# Allegro board A733_PRO3_AXP318_LPDDR5_FBGA315BALL_32X1_V2_0.brd (continued)
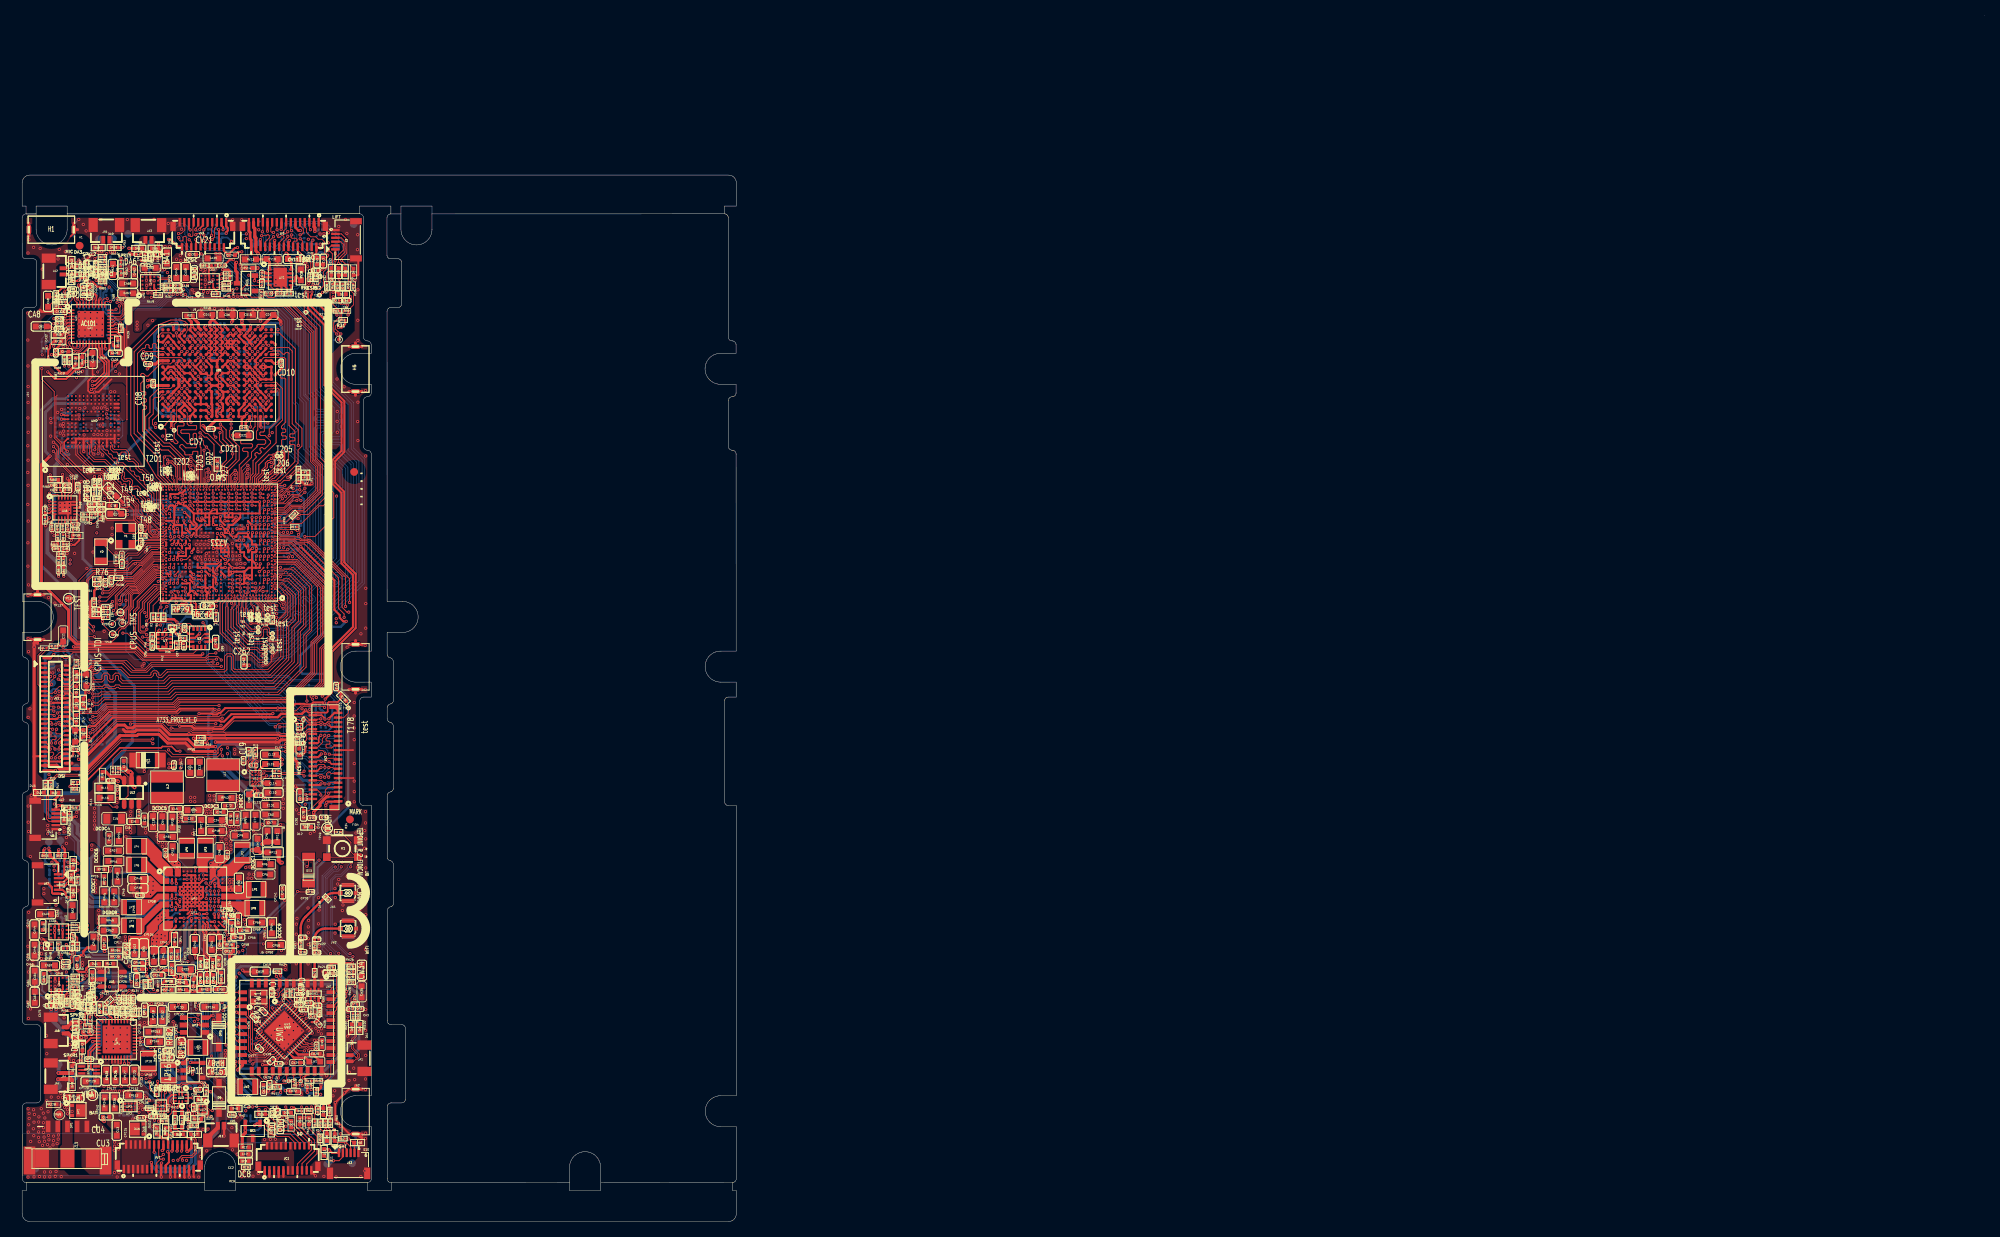
[diagram p0: board, top side]
## Routing (per net, layer and track width the routed paths; a pad name or vN(x,y) marks a point on that pad's centre or on a via; arc(x,y) is an arc through that point) (continued)
FEL: length 53.4
  TOP w0.114: D12.2 37.28,50.88 v1(37.83,50.88) 39.2,50.88 TP49.1 39.81,50.26 R34.2 ; U1.1W1 31.62,90.71 31.75,90.83 v1(31.75,90.85)
  L4 w0.102: v1(31.75,90.85) 32.03,90.85 32.79,90.09 33.87,90.09 34.34,89.62 36.15,89.62 38.2,87.58 38.2,75.35 37.21,74.37 37.21,70.46 33.83,67.08 33.83,66.15 33.82,66.14 33.82,65.97 32.26,64.41 32.26,62.42 33.08,61.6 33.08,58.61 34.3,57.39 34.3,56.07 35.63,54.74 35.63,53.58 35.72,53.49 35.72,53.16 37.83,51.05 v1(37.83,50.88)
FLASH-EN: length 6.8
  TOP w0.102: v1(32.88,120.25) 32.46,120.25 UV1.5
  TOP w0.114: v1(32.88,120.25) 32.94,120.18 RV19.2 32.45,119.22 31.76,119.22 31.51,119.48 CV15.1 31.31,119.93 RV16.1 30.71,120.06 QV1.1
  BOTTOM w0.102: v1(32.88,120.25) 32.46,120.25 32.25,120.46 RV20.2
FLASH-MODE: length 37.1
  TOP w0.102: v1(28.32,120.29) 28.8,120.78 RV15.2
  TOP w0.114: U1.AR2 32.21,94.04 32.79,94.04 v1(32.97,94.23)
  L3 w0.102: v1(32.97,94.23) 32.97,94.24 33.02,94.29 33.02,94.38 33.35,94.7 33.35,94.94 33.82,95.41 34.22,95.41 35.41,96.6 35.41,96.63 35.44,96.66 35.44,96.75 36.81,98.12 36.81,113.92 32.57,118.16 30.86,118.16 v1(30.39,117.69)
  BOTTOM w0.102: v1(28.32,120.29) 28.43,120.29 30.39,118.34 v1(30.39,117.69)
FLED+: length 16.5
  TOP w0.305: v1(29.56,124.88) 29.56,125.18 29.53,125.21 JV1.30 ; UV1.10 34.69,123.77 CV11.1 34.27,124.79 34.12,124.93 v1(34.03,124.93)
  TOP w0.356: JV1.30 29.53,126.64 29.4,126.77 29.4,127.62 29.23,127.79 JV1.31
  TOP w0.508: RV14.2 v1(30.35,123.02)
  L4 w0.305: 29.83,124.61 30.03,124.41 33.58,124.41 34.03,124.86 v1(34.03,124.93) ; 29.83,124.61 29.83,124.26 30.35,123.73 v1(30.35,123.02) ; 29.83,124.61 v1(29.56,124.88)
  BOTTOM w0.254: CV13.1 29.92,126.96 T152.1
  BOTTOM w0.305: CV13.1 29.66,125.79 29.66,124.98 v1(29.56,124.88)
FLED-: length 19.3
  TOP w0.305: RV18.2 35.86,121.44 35.39,121.91 v1(35.34,121.91) 35.25,121.82 35.25,121.6 35.2,121.55 35.2,121.45 35.07,121.33 UV1.7
  TOP w0.381: v1(30.41,124.88) 30.41,124.96 30.13,125.24 JV1.28 ; QV1.3 27.71,122.47 27.5,122.68 27.5,123.67 27.58,123.75 v1(27.63,123.75)
  TOP w0.406: JV1.28 30.13,126.9 29.99,127.04 29.99,128.12 29.83,128.28 JV1.29
  L3 w0.381: v1(27.63,123.75) 28.25,124.37 29.98,124.37 30.32,124.71 30.32,124.83 30.37,124.88 v1(30.41,124.88) 30.5,124.97 32.5,124.97 35.34,122.12 v1(35.34,121.91)
  BOTTOM w0.102: v1(30.41,124.88) 30.35,124.82 T151.1
GPADC: length 2.1
  TOP w0.076: UP1.L14 25.34,40.17 25.59,39.92 26.76,39.92 T59.1
GPIO1: length 1.2
  TOP w0.102: v1(24.25,40.72) 24.25,40.71 24.25,40.25 UP1.L12
  BOTTOM w0.114: v1(24.25,40.72) 24.11,40.72 RP300.2
GPIO2: length 1
  TOP w0.102: v1(24.23,42.67) 24.32,42.58 UP1.G12
  BOTTOM w0.102: v1(24.23,42.67) 24.23,42.94 T57.1
GPIO3: length 0.8
  TOP w0.102: v1(23.7,43.67) 23.75,43.67 24.1,43.32 24.17,43.32 UP1.E12
GPIOA8-RX: length 14.9
  TOP w0.102: UW3.14 31.19,23.67 30.89,23.38 30.56,23.38 v1(30.08,22.9) ; UW2.30 35.91,18.14 T113.1 36.11,17.93 v1(36.11,17.56)
  L3 w0.102: v1(30.08,22.9) 29.71,22.53 29.71,21.86 30.31,21.26 30.31,18.57 31.3,17.58 34.57,17.58 34.76,17.39 35.94,17.39 v1(36.11,17.56)
  BOTTOM w0.178: T129.1 30.06,22.92 v1(30.08,22.9)
GPIOA9-TX: length 11.6
  TOP w0.102: 35.01,18.07 34.72,18.07 34.67,18.12 T112.1 34.03,17.78 32.61,17.78 32.48,17.91 v1(32.48,18) ; 35.01,18.07 RW33.1 ; 35.01,18.07 UW2.29 ; UW3.15 30.93,22.94 v1(30.77,22.94)
  L3 w0.102: v1(32.48,18) 32.4,17.91 31.38,17.91 30.63,18.65 30.63,21.99 30.77,22.12 v1(30.77,22.94)
GS-INT: length 78.3
  TOP w0.102: v1(18.88,60.86) 19.46,60.28 25.08,60.28 25.24,60.44 25.24,60.45 25.25,60.46 25.25,60.48 25.25,60.49 25.25,60.83 25.25,60.84 25.25,60.86 25.24,60.86 25.24,61 25.72,61.48 33.82,61.48 v1(33.98,61.65) ; U7.5 17.37,75.19 17.21,75.35 17.21,76.65 17.52,76.96 v1(17.83,76.96) ; U1.1AC2 31.12,92.84 v1(31.22,92.94)
  L4 w0.102: v1(33.99,61.65) 33.99,64.43 35.02,65.47 35.02,66.56 38.43,69.97 38.43,73.8 39.47,74.84 39.47,88.46 36.38,91.55 33.97,91.55 32.93,92.59 31.61,92.59 31.27,92.94 v1(31.22,92.94)
  L4 w0.114: v1(20.42,76.06) 20.42,75.6 20.07,75.26 20.07,65.04 19.7,64.67 19.7,63.58 18.98,62.85 18.98,60.96 v1(18.88,60.86)
  BOTTOM w0.102: R44.1 18.01,77.14 v1(17.83,76.96)
  BOTTOM w0.114: R44.1 18.23,76.82 18.1,76.69 18.1,76.12 18.22,76 20.35,76 20.4,76.06 v1(20.42,76.06)
HBIAS: length 2.3
  TOP w0.203: UA1.2 5.94,117.18 5.83,117.29 5.44,117.29 CA27.1 5.32,117.57 4.92,117.97 v1(4.92,117.99)
  BOTTOM w0.114: RA30.2 5.08,117.84 v1(4.92,117.99)
HP-DET: length 94.6
  TOP w0.102: v1(7.18,44.67) 7.13,44.62 RA76.1
  L4 w0.102: v1(4.76,50.1) 4.76,52.31 6.33,53.89 6.33,55.04 5.42,55.96 5.42,57.1 9.49,61.17 9.49,71.77 8.21,73.06 7.22,73.06 6.27,74.01 6.27,75.28 6.46,75.48 6.46,83.95 5.76,84.66 5.64,84.66 1.89,88.41 1.89,108.87 3.11,110.09 3.11,111.66 3.53,112.08 3.53,120.08 5.23,121.78 7.55,121.78 v1(8.14,121.2)
  BOTTOM w0.102: v1(8.14,121.2) 8.14,121.7 8.61,122.17 9.42,122.17 9.99,121.6 9.99,121.24 9.66,120.92 RA14.2 9.66,120.9 RA12.2 ; v1(7.18,44.67) 7.18,44.72 6.77,45.14 6.77,48.98 5.84,49.91 4.95,49.91 v1(4.76,50.1)
HP-DET-1: length 3.6
  TOP w0.254: RA76.2 6.54,43.72 DA14.2 6.11,43.9 v1(5.85,43.64) 5.52,43.3 JA7.4
  BOTTOM w0.305: TP97.1 5.34,43.64 v1(5.85,43.64)
HPOUTFB-1: length 79.8
  TOP w0.254: JA7.2 5.27,44.3 5.43,44.46 5.43,46.65 5.51,46.73 DA17.2
  TOP w0.305: DA17.2 5.51,48.01 v1(5.2,48.33)
  L4 w0.203: v1(3.17,112.87) 2.79,112.87 1.4,111.48 1.4,87.79 5.85,83.34 5.85,76.15 2.69,72.99 2.69,50.58 3.13,50.14 3.13,50.14 v1(3.26,50.01)
  BOTTOM w0.254: v1(3.26,50.01) 3.84,50.01 4.69,49.17 TP98.1 4.93,48.59 v1(5.2,48.33) ; RA32.2 3.65,114.56 3.65,114.18 3.64,114.17 CA33.1 CA30.2 3.03,113 v1(3.17,112.87)
  BOTTOM w0.305: RA36.1 4.84,47.24 RA73.2 4.84,47.4 5.2,47.75 v1(5.2,48.33)
HPOUTFB-2: length 126.2
  TOP w0.165: UU2.A2 23.76,14.47 24.04,14.19 24.04,13.83 v1(23.78,13.58)
  TOP w0.203: v1(9.05,107.87) 9.08,107.9 9.42,107.9 10.89,109.37 10.89,110.88 10.03,111.75 10.03,112.67 9.86,112.84 UA1.18
  L3 w0.254: v1(23.78,13.58) 23.19,13.58 22.89,13.28 21.38,13.28 20.63,14.03 20.63,14.86 19.9,15.59 17.93,15.59 16.46,17.06 15.32,17.06 13.21,19.18 10.46,19.18 7.92,21.72 6.12,21.72 4.26,23.57 4.26,25.26 1.96,27.56 1.96,31.94 3.49,33.47 3.49,36.47 3.3,36.67 3.3,41.24 3.84,41.78 3.84,43.94 3.49,44.3 3.49,45.33 4.01,45.85 v1(4.11,45.85)
  L4 w0.254: v1(4.11,45.85) 4.12,45.86 4.28,45.86 4.48,46.06 4.49,46.06 6.5,48.07 6.5,49.85 7.87,51.22 7.87,58.05 10.37,60.55 10.37,72.35 7.55,75.17 7.55,93.78 6.64,94.7 6.64,102.62 6.32,102.94 6.32,105.07 8.4,107.15 8.4,107.44 8.83,107.87 v1(9.05,107.87)
  BOTTOM w0.305: v1(4.11,45.85) 4.34,46.08 RA73.1
HPOUTL-1: length 6
  TOP w0.305: JA7.1 4.64,46.21 4.03,46.81 4,46.81 DA15.2 3.6,47.77 3.45,47.92 v1(3.45,48.16)
  BOTTOM w0.254: v1(3.45,48.16) 3.45,48.16 TP101.1
  BOTTOM w0.305: RA74.2 3.45,47.54 RA33.1 3.46,47.91 3.45,47.92 v1(3.45,48.16)
HPOUTL-2: length 122
  TOP w0.203: v1(9.05,108.41) 9.44,108.41 10.58,109.55 10.58,110.77 9.72,111.62 9.72,112.54 9.46,112.8 UA1.17
  TOP w0.254: UU3.3 19.29,16.35 18.83,15.89 18.83,15.15 v1(19.05,14.93)
  L3 w0.254: v1(3.84,46.35) 3.08,45.59 3.08,44.07 3.49,43.66 3.49,41.93 2.94,41.39 2.94,36.51 3.13,36.32 3.13,33.63 1.61,32.11 1.61,27.34 3.86,25.09 3.86,23.47 5.97,21.36 7.72,21.36 10.29,18.78 13.07,18.78 15.14,16.71 16.27,16.71 17.82,15.16 18.82,15.16 v1(19.05,14.93)
  L4 w0.254: v1(9.05,108.41) 8.86,108.41 8.05,107.59 8.05,107.3 5.97,105.22 5.97,102.73 6.28,102.41 6.28,94.4 7.2,93.48 7.2,75.01 10.01,72.19 10.01,60.71 7.51,58.2 7.51,51.4 6.14,50.04 6.14,48.22 4.34,46.42 3.92,46.42 3.86,46.35 v1(3.84,46.35)
  BOTTOM w0.305: v1(3.84,46.35) 3.5,46.01 CA31.1 2.95,46.44 RA74.1
HPOUTR-1: length 6.2
  TOP w0.254: v1(5.91,45.82) 6.54,45.82 DA13.2 6.58,45.51 6.33,45.27 6.03,45.27 5.81,45.05 5.81,44.26 5.35,43.8 JA7.3
  BOTTOM w0.254: TP99.1 5.91,44.88 v1(5.91,45.82) 5.9,45.83 RA75.2
HPOUTR-2: length 121.2
  TOP w0.203: UA1.19 10.26,112.89 10.33,112.82 10.33,111.88 11.2,111.01 11.2,109.22 9.44,107.47 9.05,107.47 v1(8.92,107.34)
  TOP w0.254: v1(21.96,15.95) 21.96,15.95 UU3.9
  L3 w0.254: v1(4.13,45.32) 3.9,45.09 3.9,44.45 4.2,44.14 4.2,41.6 3.65,41.05 3.65,36.83 3.76,36.73 3.76,36.71 3.85,36.62 3.85,33.32 2.32,31.79 2.32,27.72 4.66,25.38 4.66,23.68 6.26,22.08 8.11,22.08 10.65,19.54 13.36,19.54 15.48,17.42 16.64,17.42 18.11,15.95 21.96,15.95 v1(21.96,15.95)
  L4 w0.254: v1(4.13,45.32) 4.23,45.42 4.37,45.42 6.87,47.92 6.87,49.71 8.24,51.08 8.24,57.91 10.73,60.4 10.73,72.52 7.91,75.34 7.91,94.03 6.99,94.95 6.99,102.78 6.68,103.09 6.68,104.89 8.78,106.99 8.78,107.2 v1(8.92,107.34)
  BOTTOM w0.254: RA75.1 4.74,45.23 CA29.1 4.23,45.22 v1(4.13,45.32)
HS-MIC-1: length 4.3
  TOP w0.254: DA16.2 6.44,41.82 v1(5.86,41.82) 5.61,42.07 5.61,42.39 5.2,42.8 JA7.5
  BOTTOM w0.102: RA72.2 5.12,41.82 v1(5.86,41.82) 5.86,41.78 6.18,41.46 TP100.1
HS-MIC-2: length 127.6
  TOP w0.102: UU2.C3 22.6,14.07 v1(22.46,13.93)
  L4 w0.102: 6.91,22.3 6.91,21.67 10.55,18.03 14.14,18.03 14.67,17.5 17.56,17.5 18.06,18 21.53,18 23.09,16.44 23.09,14.56 v1(22.46,13.93) ; v1(2.58,111.82) 2.36,111.82 1.66,111.12 1.66,88 5.24,84.42 5.71,84.42 6.26,83.87 6.26,76.08 2.94,72.76 2.94,52.06 3.81,51.19 3.81,48.01 2.65,46.85 2.65,43.73 3.72,42.66 3.72,41.82 4.36,41.18 v1(4.36,40.8) 3.35,39.79 3.35,33.99 3.22,33.86 3.22,32.02
  L4 w0.114: 3.22,32.02 3.83,31.41 3.83,29.28 4.81,28.29 4.81,26.29 6.03,25.08 6.03,23.7 6.91,22.82 6.91,22.3
  BOTTOM w0.102: RA72.1 4.48,40.93 4.36,40.82 v1(4.36,40.8)
  BOTTOM w0.114: v1(2.58,111.82) 2.54,111.87 CA34.1 2.54,113.52 CA30.1 2.53,113.89 2.88,114.24 2.88,115.84 4.12,117.08 RA31.2 4.52,117.14 RA30.1
I2S0-BCLK: length 89.9
  TOP w0.076: 32.98,90.49 32.9,90.56 32.41,90.56 U1.AG2
  TOP w0.102: v1(3.48,92.92) 3.54,92.86 UA6.1 ; UA1.29 12.48,117.18 12.61,117.31 12.61,118.06 v1(12.53,118.13) ; v1(28.23,119.39) 28.93,118.69 34.27,118.69 37.8,115.16 37.8,98.31 38.49,97.62 38.49,94 36.24,91.76 34.93,91.76 33.66,90.49 32.98,90.49
  L4 w0.102: v1(28.23,119.39) 27.17,118.33 22.32,118.33 21.61,117.63 13.04,117.63 v1(12.53,118.13) 11.98,118.13 11.4,117.55 11.4,114.02 11.14,113.76 11.14,111.91 8.61,109.37 2.94,103.71 2.94,93.46 v1(3.48,92.92)
I2S0-DIN0: length 92
  TOP w0.076: U1.AJ2 32.89,91.6 32.97,91.68
  TOP w0.102: 32.97,91.68 33.93,91.68 34.68,92.43 35.97,92.43 37.87,94.32 37.87,97.37 37.19,98.05 37.19,114.59 33.69,118.08 27.95,118.08 v1(26.66,119.37) ; UA6.3 3.64,92.06 v1(3.48,91.91) ; UA1.27 11.77,116.38 11.95,116.56 12.71,116.56 13.19,117.04 13.19,118.27 12.68,118.78 12.67,118.78 12.47,118.99 12.34,118.99 v1(12.24,119.09)
  L4 w0.102: v1(26.66,119.37) 26.1,118.8 22.09,118.8 21.59,118.31 13.16,118.31 12.68,118.78 12.54,118.78 v1(12.24,119.09) 11.88,118.73 11.88,118.63 10.99,117.74 10.99,114.25 9.84,113.09 9.84,111.19 2.5,103.85 2.5,92.89 v1(3.48,91.91)
I2S0-DOUT0: length 59.9
  TOP w0.076: 32.97,91.44 32.44,91.44 32.2,91.2 U1.AH2
  TOP w0.102: UA1.26 11.66,115.98 12.01,116.33 12.91,116.33 13.47,116.89 13.47,118.31 13.02,118.76 13.02,119 v1(13.01,119.01) ; v1(27.21,119.37) 28.29,118.29 33.85,118.29 37.4,114.74 37.4,98.13 38.08,97.45 38.08,94.2 36.12,92.25 34.76,92.25 33.95,91.44 32.97,91.44
  L4 w0.102: v1(27.21,119.37) 27.21,119.42 26.91,119.72 26.5,119.72 25.81,119.03 22.03,119.03 21.51,118.51 13.51,118.51 v1(13.01,119.01)
I2S0-LRCK: length 90.8
  TOP w0.102: UA6.2 3.53,92.46 v1(3.48,92.41) ; UA1.28 12.64,116.78 12.99,117.13 12.99,118.19 12.59,118.58 v1(12.24,118.58) ; U1.AH1 33.97,91.2 34.83,92.06 36.25,92.06 38.29,94.09 38.29,97.53 37.6,98.22 37.6,114.85 33.96,118.49 28.62,118.49 v1(27.72,119.39)
  L4 w0.102: v1(27.72,119.39) 27.72,119.37 26.92,118.57 22.22,118.57 21.75,118.11 13.07,118.11 12.59,118.58 v1(12.24,118.58) 12.16,118.58 11.92,118.34 11.89,118.34 11.2,117.64 11.2,114.17 10.04,113.01 10.04,111.1 2.71,103.77 2.71,93.19 v1(3.48,92.41)
I2S0-MCLK: length 84.8
  TOP w0.102: v1(3.51,93.96) 3.51,93.94 3.64,93.82 4.54,93.82 4.71,93.65 UA6.20 ; UA1.30 11.94,117.58 12.06,117.7 v1(12.11,117.7) ; RA99.1 35.37,91.55 36.49,91.55 38.69,93.75 38.69,97.71 38.01,98.4 38.01,115.25 34.36,118.89 29.31,118.89 v1(28.79,119.42)
  L4 w0.102: v1(28.79,119.42) 27.5,118.13 22.4,118.13 21.69,117.42 12.39,117.42 v1(12.11,117.7) 11.7,117.29 11.7,113.94 11.35,113.6 11.35,111.83 3.14,103.62 3.14,99.85 3.14,99.84 3.14,94.33 v1(3.51,93.96)
LCD-FMASK: length 46.3
  TOP w0.102: v1(25.38,66.57) 20.29,66.57 19.78,66.06 11.12,66.06 9.39,64.34 v1(9.11,64.34) ; v1(4.67,66.36) 4.69,66.33 JL1.20
  TOP w0.114: U1.1C1 31.61,82.37 31.61,82.71 v1(31.75,82.85)
  L4 w0.102: v1(31.75,82.85) 31.75,80.83 31.29,80.37 29.96,80.37 28.48,78.89 28.48,72.78 25.38,69.68 v1(25.38,66.57)
  BOTTOM w0.102: RL42.1 9.65,63.27 9.56,63.36 9.56,63.89 v1(9.11,64.34) 8.6,64.34 RL43.2 7.91,65.03 7.91,65.05 7.19,65.76 6.42,65.76 6.15,66.03 5.25,66.03 5.07,66.2 4.82,66.2 v1(4.67,66.36)
LCD-PWM: length 47.2
  TOP w0.102: v1(25.69,60.92) 25.67,60.91 25.67,60.44 25.18,59.95 19.27,59.95 18.49,60.73 12.81,60.73 11.7,59.63 RL8.1 ; U1.1L1 31.62,86.69 v1(31.75,86.81)
  L4 w0.114: v1(25.69,60.92) 25.65,60.96 25.65,62.58 26.47,63.4 26.47,68.42 29.82,71.76 29.82,76.49 30.08,76.75 30.08,78.99 30.45,79.36 31.67,79.36 32.9,80.59 32.9,83.68 32.51,84.07 32.51,86.06 v1(31.75,86.81)
LCD-RST: length 56.6
  TOP w0.102: v1(25.64,64.02) 25.48,63.87 24.82,63.87 24.77,63.92 22.3,63.92 21.95,64.26 20.16,64.26 19.93,64.03 18.82,64.03 18.31,64.54 12.21,64.54 8.49,60.82 7.83,60.82 v1(7.81,60.8) ; v1(4.1,66.36) 4.09,66.36 3.95,66.5 3.63,66.5 3.49,66.63 JL1.19 ; v1(31.24,86.79) 31.12,86.68 U1.1L2
  L4 w0.102: v1(25.64,64.02) 25.64,64.26 26.16,64.78 26.16,69.2 29.27,72.31 29.27,76.39 29.84,76.96 29.84,79.07 30.34,79.57 31.48,79.57 32.57,80.66 32.57,83.49 32.18,83.88 32.18,85.91 31.61,86.47 31.55,86.47 v1(31.24,86.79)
  BOTTOM w0.102: v1(7.81,60.8) 7.79,60.8 6.87,61.72 6.87,62.45 5.59,63.72 CL16.1 5.4,64.12 4.99,64.53 4.36,64.53 3.73,65.17 3.73,66.04 4.04,66.35 4.09,66.35 v1(4.1,66.36)
LDO2V5-INPUT:
  vias: v1(7.76,33.44) v1(7.77,33.03) v1(19.46,25.78) v1(19.63,25.36) v1(21.97,19.01) v1(22.06,19.49)
LDOIN/RSTN: length 4
  TOP w0.102: UA1.36 8.66,119.01 8.66,119.02 v1(8.66,119.05) 8.5,119.2 8.5,119.21 8.04,119.68 RA18.2
  BOTTOM w0.102: CA17.1 8.59,118.98 v1(8.66,119.05) 8.95,119.35 RA17.1 8.92,119.69 RA20.1
LINEINL/MICIN4N: length 3
  TOP w0.102: CA32.1 5.07,115.85 5.52,116.29 v1(5.61,116.29) 5.63,116.32 5.84,116.32 5.9,116.38 UA1.4
  BOTTOM w0.102: v1(5.61,116.29) 5.46,116.14 5.41,116.14 5.11,115.84 RA85.2
LINEINR/MICIN4P: length 3.7
  TOP w0.102: CA28.1 5.23,116.49 5.54,116.8 v1(5.58,116.8) 5.74,116.8 5.75,116.78 UA1.3
  BOTTOM w0.102: v1(5.58,116.8) 4.44,115.66 RA86.2
LRADC0: length 161.3
  TOP w0.076: U1.1D23 20.78,82.7 v1(21.07,82.7)
  TOP w0.102: R50.1 38.44,12.93 R51.1 39.11,13.49 D7.2 38.46,13.76 C110.1 38.03,14.1 37.69,14.44 37.69,14.87 37.88,15.06 R49.2 38.4,16.5 v1(38.49,16.41) ; v1(41.96,118.24) 41.84,118.35 41.02,118.35 40.86,118.51 R27.2 ; v1(38.98,66.33) 38.88,66.44 36.3,66.44 36.23,66.51 35.93,66.51 35.31,65.89 32.8,65.89 32.8,65.89 26.58,65.89 26.04,65.35 25.57,65.35 25.37,65.15 22.66,65.15 22.58,65.23 19.74,65.23 19.66,65.15 v1(19.35,65.15)
  TOP w0.114: R27.2 C86.1 41.59,119.49 D1.2 41.73,120.01 R26.1 R25.1
  L4 w0.102: v1(41.96,118.24) 41.66,117.94 41.66,114.25 38.9,111.49 38.9,98.64 41.09,96.44 41.09,88.61 41.16,88.54 41.16,75.29 39.27,73.4 39.27,68.7 39.95,68.02 39.95,67.06 39.23,66.33 v1(38.98,66.33) 39.21,66.1 39.48,66.1 40.04,65.54 40.04,65.54 40.15,65.43 40.15,56.2 39.6,55.64 39.25,55.64 39.09,55.47 39.09,54.75 38.65,54.32 38.65,53.61 39.82,52.44 39.82,35.75 40.4,35.17 40.4,33.93 41.78,32.55 41.78,30.96 42.46,30.28 42.46,28.4 42.79,28.06 42.79,23.05 40.37,20.62 40.37,18.29 v1(38.49,16.41) ; v1(21.07,82.7) 20.87,82.7 20.07,81.91 19.96,81.91 19.7,81.64 19.7,80.86 19.37,80.53 19.37,78.72 20.2,77.9 20.2,77.75 20.35,77.59 20.35,77.09 19.85,76.58 19.85,66.14 19.35,65.65 v1(19.35,65.15)
MBIAS: length 14.6
  TOP w0.102: v1(7.64,119.06) 7.86,118.84 UA1.38
  TOP w0.254: v1(5.43,120.47) 5.18,120.47 4.5,119.79 RA5.2 ; RA19.2 12.73,124.25 v1(12.76,124.28)
  L4 w0.254: 7.64,119.25 7.64,119.28 8.11,119.75 8.59,119.75 10.12,121.27 10.12,121.64 v1(12.76,124.28) ; 7.64,119.25 7.28,119.61 6.7,119.61 5.84,120.47 v1(5.43,120.47) ; 7.64,119.25 v1(7.64,119.06)
  BOTTOM w0.203: CA15.2 7.94,118.36 CA5.2 7.95,118.68 7.74,118.89 7.74,118.96 v1(7.64,119.06)
MBIAS1: length 1.7
  TOP w0.254: UA6.5 4.12,90.67 3.74,90.29 3.74,89.93 CA91.1
MBIAS2: length 3.1
  TOP w0.254: UA6.13 7.26,92.06 7.41,92.21 7.41,92.24 7.44,92.26 7.44,93.06 7.41,93.09 7.41,94.33 CA92.1
MCSI-MCLK: length 80.3
  TOP w0.102: CV21.1 23.02,124.76 v1(23.1,124.84) ; JV1.7 36.43,128.35 36.67,128.11 36.67,127.6 37.22,127.05 37.86,127.05 38.17,126.73 38.66,126.73 38.96,126.43 38.96,125.02 39.12,124.86 39.21,124.86 v1(39.39,124.68) 39.39,124.42 39.31,124.34 CV2.1 39.32,123.84 39.32,123.04 39.04,122.76 39.04,122.75 38.86,122.57 38.86,121.04 38.85,121.03 38.85,120.71 38.43,120.29 36.74,120.29 36.37,119.92 36.37,117.52 T137.1 38.45,115.44 38.45,98.54 39.1,97.89 39.1,95.05 40.18,93.97 40.18,90.82 37.74,88.38 v1(36.44,88.38) ; JV3.7 24.51,128.19 24.43,128.12 v1(24.43,127.24)
  L3 w0.102: v1(24.43,127.24) 23.91,126.72 23.91,125.65 v1(23.1,124.84)
  L4 w0.102: v1(24.43,127.24) 25.98,127.24 26.12,127.09 26.89,127.09 28.19,125.79 28.19,125.79 28.53,125.46 35.42,125.46 37.26,123.62 38.34,123.62 v1(39.39,124.68)
  BOTTOM w0.102: v1(36.44,88.38) 36.41,88.34 36.41,86.79 34.74,85.13 32.81,85.13 32.29,84.61 32.29,83.84 31.76,83.31 RV1.2
MCSI-MCLK-2: length 40.6
  TOP w0.102: v1(34.82,56.58) 34.82,55.85 35.31,55.36 35.31,54.2 36.29,53.22 CV20.1 36.96,52.98 39.09,55.1 39.09,55.66 39.44,56.02 JV2.7 ; v1(32.71,77.41) 32.71,77.41 RV26.2
  L4 w0.102: v1(26.48,61.12) 26.48,61.16 26.48,61.16 26.48,62.4 27.19,63.11 27.19,68.12 30.56,71.49 30.56,75.08 31.14,75.66 31.14,76.05 32.49,77.41 v1(32.71,77.41)
  BOTTOM w0.102: v1(34.82,56.58) 34.53,56.29 T159.1 31.57,56.29 29.52,58.33 28.49,58.33 26.89,59.93 26.89,60.52 26.87,60.53 26.87,60.56 26.48,60.96 v1(26.48,61.12)
MCSI-RST-F: length 41.9
  TOP w0.076: U1.B3 31.77,80.12 32.13,79.77 32.49,79.77 v1(32.82,79.44)
  TOP w0.102: JV2.5 39.73,55.42 39.57,55.26 v1(39.52,55.26)
  L4 w0.102: v1(26.48,60.35) 26.48,60.37 26.07,60.78 26.07,62.56 26.78,63.28 26.78,68.29 30.15,71.66 30.15,75.25 30.87,75.97 30.87,78.45 31.5,79.08 31.77,79.08 31.78,79.07 32.46,79.07 v1(32.82,79.44)
  BOTTOM w0.102: RV4.2 39.51,55.2 39.52,55.21 v1(39.52,55.26) 39.37,55.41 T158.1 37.63,55.41 37.22,55.82 CV3.1 31.46,55.82 29.52,57.76 28.48,57.76 26.48,59.76 v1(26.48,60.35)
MCSI-RST-R: length 56.5
  TOP w0.102: v1(33.66,79.64) 33.15,80.15 32.47,80.15 32.22,80.4 U1.A2 ; JV1.5 37.03,128.09 v1(37.17,127.96) ; v1(37.47,124.85) 37.47,124.75 37.41,124.69 37.41,122.89 CV1.1 37.6,122.33 RV2.2 38.23,122.09 T133.1 38.41,121.18 v1(38.01,120.78)
  L4 w0.102: v1(37.47,124.85) 36.44,125.88 36.32,126.01 36.32,127.11 v1(37.17,127.96) ; v1(38.01,120.78) 37.84,120.61 37.84,119.85 37.29,119.3 37.29,118.59 37.84,118.05 37.84,97.78 38.58,97.04 38.58,92.22 v1(39.54,91.26)
  BOTTOM w0.102: v1(39.54,91.26) 39.14,90.86 39.14,85.79 34.21,80.86 T130.1 34.21,80.19 v1(33.66,79.64)
MCSI-RST-R2: length 76.4
  TOP w0.102: v1(32.8,77.91) 32.29,78.42 32.29,78.81 30.97,80.12 U1.B5
  TOP w0.114: v1(24.49,126.69) 24.81,127.01 24.81,128.13 25.11,128.43 JV3.5
  L4 w0.102: v1(24.49,126.69) 26.02,126.69 30.11,122.6 38.37,122.6 38.53,122.44 41.17,122.44 41.54,122.07 41.54,120.93 41.4,120.79 41.4,114.71 41.44,114.66 41.44,114.32 38.67,111.55 38.67,98.45 40.51,96.61 40.51,93.62 v1(40.53,93.6)
  BOTTOM w0.102: CV22.1 25.14,126.28 RV22.2 24.75,126.95 v1(24.49,126.69) ; v1(40.53,93.6) 40.53,85.56 35.34,80.37 35.34,79.62 33.64,77.91 v1(32.8,77.91)
MCSI-STBY-F: length 43.1
  TOP w0.102: U1.1C5 v1(30.09,82.35) ; JV2.6 38.03,55.72 38.49,55.26 38.49,55.04 v1(38.5,55.03)
  L4 w0.102: v1(30.09,82.35) 30.46,81.99 30.46,81 30.29,80.83 29.83,80.83 27.95,78.95 27.95,73.15 24.51,69.71 24.51,64.1 25.33,63.27 25.33,60.69 25.81,60.21 25.81,60.09 v1(25.82,60.08)
  BOTTOM w0.102: RV6.2 38.79,54.74 v1(38.5,55.03) 37.46,55.03 T155.1 36.99,55.5 31.48,55.5 29.66,57.33 28.42,57.33 25.82,59.93 v1(25.82,60.08)
MCSI-STBY-R: length 55.9
  TOP w0.076: U1.B2 32.17,80.74 31.94,80.5 31.94,80.3 32.29,79.95 32.98,79.95 33.29,79.63 33.29,79.39 33.56,79.12 v1(33.65,79.12)
  TOP w0.102: JV1.10 35.53,125.33 T139.1 37.21,123.66 37.21,122.14 RV3.2 37.13,122.1 36.6,121.56 36.6,120.91 36.8,120.7 37.29,120.7 v1(37.51,120.92)
  L4 w0.102: v1(39.54,90.74) 38.38,91.91 38.38,96.95 37.64,97.69 37.64,117.74 36.49,118.89 36.49,120.05 37.01,120.56 37.15,120.56 v1(37.51,120.92)
  BOTTOM w0.102: v1(39.54,90.74) 39.54,85.76 34.64,80.86 34.64,80.11 v1(33.65,79.12)
MCSI-STBY-R2: length 69.4
  TOP w0.102: U1.D1 32.76,81.6 v1(33.69,80.68) ; JV3.10 23.61,126.4 v1(23.4,126.6)
  L4 w0.102: v1(23.4,126.6) 24.08,126.6 24.34,126.34 26.08,126.34 27.67,124.75 27.67,124.75 30.06,122.36 38.32,122.36 38.51,122.18 41.04,122.18 41.33,121.88 41.33,121.01 41.13,120.81 41.13,115.19 40.79,114.86 40.33,114.86 38.04,112.57 38.04,97.87 38.79,97.12 38.79,92.54 v1(39.54,91.79)
  BOTTOM w0.102: v1(23.4,126.6) 23.54,126.6 23.79,126.86 23.79,127.32 RV23.2 ; v1(33.69,80.68) 38.92,85.91 38.92,91.17 v1(39.54,91.79)
MCSIA-CKN: length 35.4
  TOP w0.102: U1.1B7 29.01,81.85 v1(29.12,81.74) ; JV2.12 38.2,57.52 38.35,57.67 38.65,57.67 v1(39.01,57.31)
  BOTTOM w0.102: 39.84,61.41 40.11,61.14 40.11,58.43 39.16,57.47 39.16,57.47 v1(39.01,57.31) ; 39.84,61.41 39.67,61.58 38.65,61.58 37.52,62.71 37.52,64.64 36.83,65.34 35.96,65.34 34.95,66.35 34.95,67.02 33.37,68.6 31.24,68.6 28.23,71.61 28.23,75.12 27.71,75.64 27.71,78.59 27.92,78.8 27.92,79.91 28.67,80.66 28.67,81.01 28.73,81.07 28.73,81.35 29.11,81.74 v1(29.12,81.74) ; 39.84,61.41 T163.1
MCSIA-CKP: length 35.4
  TOP w0.102: JV2.13 39.83,57.82 39.65,58 39.47,58 39.23,57.76 39.23,57.62 39.52,57.33 v1(39.52,57.33) ; U1.1A7 28.62,81.16 28.73,81.05 28.95,81.05 v1(29.12,81.23)
  BOTTOM w0.102: v1(29.12,81.23) 29.12,81.04 29.04,80.95 29.04,80.95 28.98,80.89 28.98,80.53 28.23,79.78 28.23,78.68 28.01,78.46 28.01,75.77 28.53,75.24 28.53,71.74 31.36,68.91 33.49,68.91 35.26,67.15 35.26,66.47 36.09,65.64 36.95,65.64 37.83,64.77 37.83,62.84 38.78,61.89 39.8,61.89 40.42,61.26 40.42,58.93 ; v1(39.52,57.33) 39.52,57.4 40.42,58.3 40.42,58.93 ; 40.42,58.93 T164.1
MCSIA-D0N: length 37.3
  TOP w0.102: v1(39.54,58.57) 40.03,58.57 40.18,58.42 JV2.15
  TOP w0.114: U1.1D11 26.64,82.87 27.03,82.87 27.12,82.78 v1(27.12,82.78)
  BOTTOM w0.102: T165.1 37.94,57.78 38.02,57.86 ; 38.02,57.86 38.11,57.77 38.88,57.77 39.49,58.38 39.49,58.52 v1(39.54,58.57) ; 38.02,57.86 37.65,58.23 37.65,58.6 36.52,59.73 35.35,59.73 34.37,60.71 34.37,62.44 33.68,63.12 33.68,64.27 33.16,64.8 31.96,64.8 26.09,70.67 26.09,74.06 25.5,74.66 25.5,82.46 25.81,82.78 v1(27.12,82.78) 27.4,82.78 T61.1
MCSIA-D0P: length 37.4
  TOP w0.102: U1.1C11 27.04,82.35 v1(27.12,82.27) ; JV2.16 37.95,58.72 38.2,58.97 38.91,58.97 39.03,58.84 v1(39.03,58.6)
  BOTTOM w0.102: v1(39.03,58.6) 39.03,58.59 39.03,58.35 38.76,58.08 38.23,58.08 37.95,58.36 37.95,58.72 37.77,58.91 ; T62.1 27.43,82.27 v1(27.12,82.27) 26.92,82.47 26.74,82.47 26.66,82.4 26.66,82.09 26.56,81.99 26.31,81.99 26.23,82.07 26.23,82.36 26.12,82.47 25.94,82.47 25.8,82.33 25.8,74.79 26.4,74.19 26.4,70.8 32.09,65.11 33.28,65.11 33.99,64.4 33.99,63.25 34.68,62.56 34.68,60.83 35.48,60.03 36.65,60.03 37.77,58.91 ; 37.77,58.91 37.86,58.99 T166.1
MCSIA-D1N: length 31.9
  TOP w0.102: v1(38.54,59.38) 38.46,59.46 38.11,59.46 37.96,59.32 JV2.18 ; v1(27.12,81.74) 26.95,81.91 26.69,81.91 U1.1B11
  BOTTOM w0.102: 35.96,60.69 35.7,60.95 35.7,62.16 34.51,63.35 34.51,64.76 33.45,65.81 33.45,66.35 33.1,66.7 31.1,66.7 26.81,70.99 26.81,74.39 26.22,74.98 26.22,80.83 26.7,81.32 26.7,81.64 26.8,81.74 v1(27.12,81.74) ; 35.96,60.69 36.18,60.48 36.94,60.48 37.75,59.66 38.34,59.66 38.46,59.54 38.46,59.46 v1(38.54,59.38) ; 35.96,60.69 35.86,60.59 T167.1
MCSIA-D1P: length 31.9
  TOP w0.102: v1(39.05,59.38) 39.45,59.77 40.58,59.77 JV2.19 ; v1(27.12,81.23) 27,81.35 U1.1A11
  BOTTOM w0.102: 32.83,67 31.22,67 27.11,71.12 27.11,74.52 26.52,75.11 26.52,80.7 27.05,81.23 v1(27.12,81.23) ; 32.83,67 T168.1 ; 32.83,67 33.23,67 33.76,66.48 33.76,65.94 34.81,64.89 34.81,63.48 36.01,62.28 36.01,61.08 36.3,60.78 37.07,60.78 37.88,59.97 38.46,59.97 38.77,59.66 38.77,59.66 v1(39.05,59.38)
MCSIA-D2N: length 31
  TOP w0.102: U1.1B9 28.01,81.85 v1(28.12,81.74) ; JV2.21 39.69,60.22 39.61,60.3 v1(39.59,60.3)
  BOTTOM w0.102: v1(39.59,60.3) 39.59,60.32 39.42,60.5 39.42,60.74 39.11,61.05 38.51,61.05 36.99,62.57 36.99,64.47 36.53,64.93 35.79,64.93 34.5,66.22 34.5,66.77 33.36,67.92 31.78,67.92 ; T169.1 31.78,67.92 ; 31.78,67.92 31.34,67.92 27.82,71.44 27.82,74.93 27.25,75.5 27.25,78.82 27.63,79.2 27.63,80.04 28.46,80.86 28.46,81.41 v1(28.12,81.74)
MCSIA-D2P: length 31
  TOP w0.102: v1(28.12,81.23) 28,81.35 U1.1A9 ; JV2.22 37.98,60.52 38.25,60.78 38.3,60.79 38.31,60.78 38.73,60.78 39.09,60.43 v1(39.09,60.34)
  BOTTOM w0.102: 36.68,62.83 36.68,62.45 38.39,60.74 38.98,60.74 39.11,60.62 39.11,60.36 v1(39.09,60.34) ; 36.68,62.83 T170.1 ; 36.68,62.83 36.68,64.34 36.4,64.63 35.67,64.63 34.2,66.1 34.2,66.65 33.23,67.61 31.21,67.61 27.52,71.31 27.52,74.8 26.94,75.37 26.94,78.94 27.33,79.32 27.33,80.16 28.15,80.99 28.15,81.2 v1(28.12,81.23)
MCSIA-D3N: length 36.4
  TOP w0.102: v1(28.12,83.3) 28.06,83.35 U1.1E9 ; JV2.24 38.04,61.12 38.7,61.78 38.7,62.28 38.93,62.51 38.93,62.55 39.02,62.63 v1(39.02,62.73)
  BOTTOM w0.102: T171.1 36.98,69.13 36.99,69.11 ; v1(28.12,83.3) 28.22,83.19 28.59,83.19 28.86,82.93 29.36,82.93 29.76,82.53 29.76,80.59 28.79,79.62 28.79,78.31 28.61,78.13 28.61,76.33 29.94,74.99 29.94,71.52 31.73,69.73 33.88,69.73 34.49,69.11 36.99,69.11 ; 36.99,69.11 38.86,69.11 40.79,67.18 40.79,62.89 40.2,62.31 39.42,62.31 39.16,62.57 39.16,62.59 v1(39.02,62.73)
MCSIA-D3P: length 36.4
  TOP w0.102: v1(28.12,82.78) 27.96,82.94 27.72,82.94 U1.1D9 ; JV2.25 40.23,61.42 39.91,61.1 39.3,61.1 39.17,61.23 39.17,61.48 39.29,61.59 39.61,61.59 39.68,61.67 39.68,61.92 39.6,62 39.3,62 39.17,62.13 39.17,62.3 39.53,62.66 v1(39.53,62.71)
  BOTTOM w0.102: T172.1 40.26,67.29 ; 40.26,67.29 38.73,68.81 34.37,68.81 33.75,69.43 31.6,69.43 29.64,71.39 29.64,74.87 28.3,76.2 28.3,78.26 28.48,78.43 28.48,79.75 29.46,80.72 29.46,82.41 29.24,82.62 28.73,82.62 28.47,82.89 28.23,82.89 v1(28.12,82.78) ; 40.26,67.29 40.49,67.05 40.49,63.02 40.08,62.61 39.57,62.61 39.53,62.66 v1(39.53,62.71)
MCSIB-CKN: length 82.9
  TOP w0.076: 27.22,78.97 27.22,78.99 27.14,79.06 27.14,79.22 27.54,79.61 27.54,80.56 U1.B13
  TOP w0.102: v1(34.73,127.29) 34.66,127.23 34.66,126.99 34.79,126.86 35.29,126.86 35.44,126.71 35.44,126.58 35.36,126.49 35.06,126.49 34.93,126.36 JV1.12 ; v1(32.3,74) 32.09,74 31.26,74.83 29.18,74.83 27.22,76.79 27.22,78.97
  BOTTOM w0.102: v1(34.73,127.29) 34.98,127.29 35.11,127.16 35.11,126.4 36.74,124.77 36.74,124.12 37.11,123.75 37.76,123.75 38.01,123.51 38.01,122.53 38.46,122.08 38.88,122.08 39.38,122.58 39.55,122.58 39.67,122.46 39.67,122.29 39.17,121.79 39.17,120.93 39.47,120.62 40.39,120.62 40.52,120.5 40.52,118.2 40.41,118.08 40.23,118.08 40.1,118.21 40.1,118.68 39.8,118.98 39.36,118.98 39.11,118.73 39.11,117.08 39.41,116.78 39.64,116.78 39.76,116.66 39.76,116.5 39.64,116.38 39.41,116.38 39.24,116.21 ; 39.24,116.21 T140.1 ; 39.24,116.21 39.11,116.08 39.11,107.89 39.11,107.89 39.11,107.85 41.72,105.24 41.72,99.36 43.12,97.97 43.12,82.78 34.12,73.78 32.48,73.78 32.3,73.97 v1(32.3,74)
